# KiCad board panel_rp2350_20x20_temp.kicad_pcb (continued)
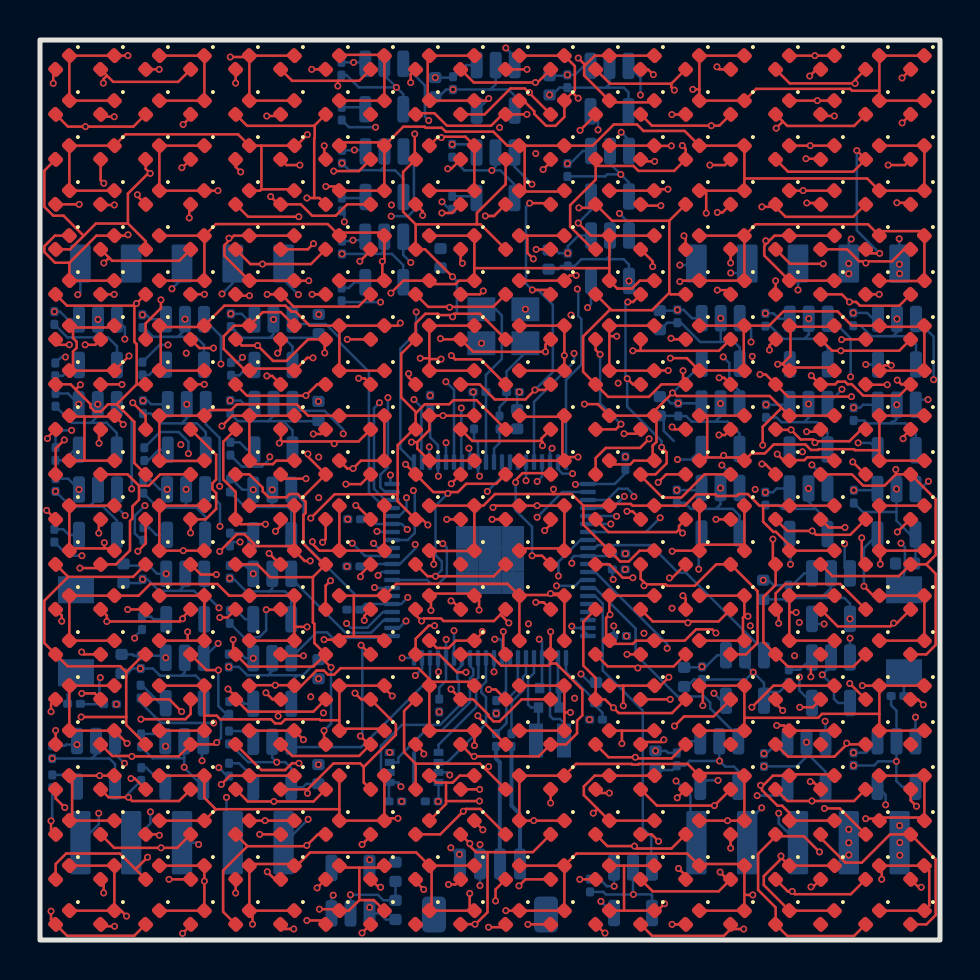
[diagram p0: board, top side]
## Routing (per net, layer and track width the routed paths; a pad name or vN(x,y) marks a point on that pad's centre or on a via; arc(x,y) is an arc through that point) (continued)
/drivers/COL_00: length 2
  Bottom w0.127: U3.5 10.66,8.13 9.95,8.83 R9.1
/drivers/COL_01: length 1.6
  Bottom w0.127: U4.5 5.31,8.61 R10.1
/drivers/COL_02: length 1.5
  Bottom w0.127: R11.1 1.12,8.25 1.7,7.67 U5.5
/drivers/COL_03: length 1.2
  Bottom w0.127: R12.1 10.1,11.92 10.22,11.81 U6.5
/drivers/COL_04: length 1.6
  Bottom w0.127: U7.5 6,11.84 5.1,12.73 R13.1
/drivers/COL_05: length 1.4
  Bottom w0.127: U8.5 10.26,16.04 9.83,16.47 R14.1
/drivers/COL_06: length 1.3
  Bottom w0.127: U9.5 5.67,16.04 5.55,16.17 R15.1
/drivers/COL_07: length 1.2
  Bottom w0.127: R16.1 10.55,20.34 U10.5
/drivers/COL_08: length 1.3
  Bottom w0.127: U11.5 5.81,20.26 5.45,20.62 R17.1
/drivers/COL_09: length 1.3
  Bottom w0.127: R18.1 1.16,20.53 1.45,20.25 U12.5
/drivers/COL_10: length 1.4
  Bottom w0.127: U13.5 10.34,24.53 9.98,24.89 R19.1
/drivers/COL_11: length 1.4
  Bottom w0.127: R20.1 5.4,23.97 5.94,24.51 U14.5
/drivers/COL_12: length 1.4
  Bottom w0.127: U15.5 1.73,24.51 1.2,23.98 0.77,23.98
/drivers/COL_13: length 1.4
  Bottom w0.127: R22.1 1.14,28.21 1.68,28.75 U16.5
/drivers/COL_14: length 1.2
  Bottom w0.127: R23.1 16.22,37.09 16.28,37.15
/drivers/COL_15: length 1.3
  Bottom w0.127: R24.1 15.44,32.6 15.73,32.89 U18.5
/drivers/COL_16: length 1.4
  Bottom w0.127: U19.5 10.48,28.75 9.97,28.23 R25.1
/drivers/COL_17: length 1.4
  Bottom w0.127: U20.5 5.97,28.77 5.45,28.25 R26.1
/drivers/COL_18: length 1.2
  Bottom w0.127: R27.1 16.16,41.64 U21.5
/drivers/COL_19: length 1.3
  Bottom w0.127: R28.1 21.74,37.19 U22.5
/drivers/COL_MCU_00: length 9.5
  Bottom w0.127: U2.78 19.5,13.08 16.07,9.65 12.83,9.65 U3.3
/drivers/COL_MCU_01: length 14.4
  In4.Cu w0.127: v1(18.77,13.23) 16.11,13.23 15.57,12.68 12.87,12.68 11.45,11.25 10.73,11.25 8.44,8.96 v1(8.1,8.96)
  Bottom w0.127: v1(18.77,13.23) 19.1,13.56 U2.79 ; v1(8.1,8.96) 8.1,9.88 U4.3
/drivers/COL_MCU_02: length 18.1
  In4.Cu w0.127: v1(18.11,14.1) 17.75,13.74 16.16,13.74 15.67,13.25 14.28,13.25 14.11,13.43 13.26,13.43 11.42,11.58 8.82,11.58 6.06,8.81 4.25,8.81 v1(4.23,8.84)
  Bottom w0.127: v1(4.23,8.84) 3.75,9.31 U5.3 ; U2.80 v1(18.11,14.1)
/drivers/COL_MCU_03: length 5.7
  Bottom w0.127: U2.1 17.51,15.11 14.63,15.11 14.35,15.38 13.83,15.38 12.56,14.12 U6.3
/drivers/COL_MCU_04: length 12.1
  In4.Cu w0.127: v1(18.3,15.95) 16.73,14.38 15.9,14.38 15.63,14.65 9.09,14.65 v1(8.91,14.83)
  Bottom w0.127: v1(18.3,15.95) 17.95,15.6 U2.2 ; U7.3 v1(8.91,14.83)
/drivers/COL_MCU_05: length 6.7
  Bottom w0.127: U2.3 17.2,16 16.56,15.36 15.28,15.36 12.56,18.08 U8.3
/drivers/COL_MCU_06: length 11.4
  In4.Cu w0.127: v1(8.95,16.61) 9.13,16.61 9.71,16.02 15.13,16.02 v1(15.33,15.83)
  Bottom w0.127: U2.4 17.15,16.4 16.37,15.62 15.54,15.62 v1(15.33,15.83) ; U9.3 8.21,17.35 v1(8.95,16.61)
/drivers/COL_MCU_07: length 8.4
  Bottom w0.127: U2.6 15.82,17.2 13.17,19.85 13.17,21.9 U10.3
/drivers/COL_MCU_08: length 12.2
  In4.Cu w0.127: v1(9,20.68) 9,20.37 10.66,18.71 12.88,18.71 13.99,17.6 16.7,17.6 v1(16.73,17.63)
  Bottom w0.127: U2.7 16.75,17.6 v1(16.73,17.63) ; v1(9,20.68) 9,21.79 U11.3
/drivers/COL_MCU_09: length 29.7
  In4.Cu w0.127: v1(4.26,21.23) 3.19,21.23 2.5,20.53 2.5,20.04 5.29,17.25 17.89,17.25 18.15,17.51 19.67,17.51 20.23,18.07 20.23,19.72 v1(20.14,19.82)
  Bottom w0.127: v1(20.14,19.82) 20.34,19.61 20.34,18.23 19.94,17.82 19.54,17.82 19.36,18 U2.8 ; v1(4.26,21.23) 3.85,21.63 U12.3
/drivers/COL_MCU_10: length 11.9
  In3.Cu w0.127: v1(16.9,18.23) 16.16,18.98 16.16,24.31 v1(15.16,25.31)
  Bottom w0.127: U13.3 12.97,26.46 14.23,26.46 15.16,25.53 v1(15.16,25.31) ; v1(16.9,18.23) 17.07,18.4 U2.9
/drivers/COL_MCU_11: length 14.7
  In4.Cu w0.127: v1(8.99,22.69) 9.23,22.93 10.78,22.93 11.14,22.57 11.14,22.45 11.99,21.6 13.55,21.6 15.31,19.84 v1(15.61,19.84)
  Bottom w0.127: U2.11 16.25,19.2 v1(15.61,19.84) ; v1(8.99,22.69) 8.99,25.1 8.29,25.79 U14.3
/drivers/COL_MCU_12: length 19.3
  In4.Cu w0.127: v1(16.68,19.83) 15.91,20.6 14.91,20.6 12.32,23.19 5.22,23.19 v1(4.59,22.56)
  Bottom w0.127: U15.3 4.59,26.04 v1(4.59,22.56) ; U2.12 16.91,19.6 v1(16.68,19.83)
/drivers/COL_MCU_13: length 27
  In3.Cu w0.127: v1(13.94,24.15) v1(13.94,22.12) ; v1(7.04,24.77) 6.95,24.86 6.95,28.98 v1(7.31,29.34)
  In4.Cu w0.127: v1(4.24,30.05) 4.95,29.34 v1(7.31,29.34) ; v1(13.94,22.12) 17.52,22.12 17.95,22.55 18.59,22.55 v1(18.67,22.47) ; v1(7.04,24.77) 11.4,24.77 11.73,24.44 12.66,24.44 13.16,23.94 13.73,23.94 v1(13.94,24.15)
  Bottom w0.127: v1(18.67,22.47) 18.74,22.4 18.74,20.35 18.39,20 U2.13 ; v1(4.24,30.05) 4.24,30.63 3.85,31.02
/drivers/COL_MCU_14: length 21.7
  In3.Cu w0.127: v1(17.56,36.19) 16.6,35.23 16.6,29.99 16.35,29.74 16.35,25.94 16.85,25.44 v1(16.85,20.43)
  Bottom w0.127: v1(17.56,36.19) 18.41,36.19 18.69,36.48 18.69,38.91 18.17,39.42 ; v1(16.85,20.43) 16.88,20.4 U2.14
/drivers/COL_MCU_15: length 15.1
  In3.Cu w0.127: v1(18.32,22.11) 17.89,22.55 17.89,29.3 18.44,29.85 18.44,33.78 v1(18.54,33.88)
  Bottom w0.127: U18.3 18.16,34.25 v1(18.54,33.88) ; v1(18.32,22.11) 18.32,21.56 17.97,21.2 U2.16
/drivers/COL_MCU_16: length 12.5
  Bottom w0.127: 12.62,31.02 12.85,30.8 14.28,30.8 14.99,30.09 14.99,29.87 16.45,28.42 16.45,22.39 17.24,21.6 U2.17
/drivers/COL_MCU_17: length 16.9
  In4.Cu w0.127: v1(9.05,28.8) 10.13,27.72 16.12,27.72 v1(16.97,26.86)
  Bottom w0.127: v1(9.05,28.8) 9.05,30.19 U20.3 ; v1(16.97,26.86) 16.7,26.59 16.7,22.56 17.26,22 U2.18
/drivers/COL_MCU_18: length 23.4
  In3.Cu w0.127: v1(17.4,27.12) 17.4,29.95 17.65,30.2 17.65,31.22 18.18,31.74 18.18,39.16 19.44,40.42 v1(19.44,40.98)
  Bottom w0.127: U2.19 17.25,22.4 17.02,22.63 17.02,23.26 17.4,23.64 v1(17.4,27.12) ; U21.3 19.25,42.73 19.25,41.16 v1(19.44,40.98)
/drivers/COL_MCU_19: length 24.5
  In3.Cu w0.127: v1(17.57,36.75) 17.92,36.4 17.92,31.85 17.4,31.32 17.4,30.43 16.6,29.63 16.6,26.17 17.52,25.25 v1(17.52,23.25)
  In4.Cu w0.127: v1(17.57,36.75) 18.61,37.79 v1(24.6,37.79)
  Bottom w0.127: 23.72,39.38 23.72,38.66 v1(24.6,37.79) ; v1(17.52,23.25) 17.52,22.88 U2.20
/drivers/ROW_00: length 61.6
  Top w0.127: v1(9.51,44.15) 10.4,44.15 D81.1 ; v1(22.44,42.07) 22.33,41.97 D221.1 D201.1 19.38,42.05 19.38,44.13 D161.1 D181.1 ; D341.1 v1(38.75,44.22) D321.1 ; 27.26,43.75 27.21,43.69 27.21,43.23 D281.1 28.55,41.88 30.63,41.88 D301.1 ; 27.26,43.75 27.74,44.22 D241.1 D261.1 ; 27.26,43.75 v1(26.91,44.1) ; D381.1 v1(38.87,41.97) D361.1 ; D141.1 D121.1 D81.1 ; D81.1 D101.1 ; D61.1 D41.1 D1.1 D21.1 v1(4.4,44.22)
  In3.Cu w0.127: v1(38.87,41.97) 38.87,44.1 v1(38.75,44.22)
  In4.Cu w0.127: v1(22.44,42.07) 22.5,42.01 24.62,42.01 24.84,42.23 24.84,42.25 26.69,44.1 v1(26.91,44.1) 27.03,44.22 v1(38.75,44.22) ; v1(4.4,44.22) 9.44,44.22 v1(9.51,44.15)
  Bottom w0.127: U23.5 v1(22.44,42.07)
/drivers/ROW_01: length 75.5
  Top w0.127: D342.1 v1(38.51,39.72) D322.1 ; 38.16,37.47 v1(38.16,37.47) ; 38.16,37.47 D382.1 ; 38.16,37.47 D362.1 ; 11.07,37.53 11.07,39.72 ; 11.07,37.53 12.65,37.53 D142.1 ; 11.07,37.53 11,37.47 D122.1 ; 11.07,39.72 D82.1 9.9,40.28 4.28,40.28 D22.1 D2.1 D42.1 D62.1 ; 11.07,39.72 D102.1 12.82,39.72 v1(13.37,40.27) ; v1(31.4,37.54) 30.79,37.54 D302.1 D282.1 ; D162.1 19.87,40.12 v1(20.06,40.12) 20.11,40.16 21.27,40.16 D182.1 D222.1 D202.1 ; v1(31.57,39.71) 30.73,39.71 D262.1 D242.1
  In3.Cu w0.127: v1(31.57,39.71) 31.57,37.71 v1(31.4,37.54) ; v1(38.51,39.72) 38.66,39.57 38.66,37.98 v1(38.16,37.47)
  In4.Cu w0.127: v1(31.57,39.71) 30.52,40.75 28.15,40.75 v1(27.9,40.51) ; v1(13.37,40.27) 18.26,40.27 18.59,39.94 19.88,39.94 v1(20.06,40.12) 20.13,40.19 22.9,40.19 24.17,38.92 25.75,38.92 27.13,37.54 v1(31.4,37.54) 38.08,37.54 v1(38.16,37.47)
  Bottom w0.127: v1(27.9,40.51) 27.9,41.06 U24.5
/drivers/ROW_02: length 72.8
  Top w0.127: v1(17.55,32.35) 18.17,32.97 D203.1 19.64,32.8 20.78,32.8 20.95,32.97 D223.1 21.72,33.59 ; v1(4.4,35.26) 4.36,35.22 D23.1 2.82,35.22 1.47,33.86 ; D63.1 D43.1 1.47,33.86 ; D263.1 D243.1 ; D243.1 27.54,35.22 v1(26.91,35.85) ; D243.1 28.47,33.59 ; 1.47,33.86 0.75,33.86 0.22,34.4 0.22,34.69 0.75,35.22 D3.1 ; D343.1 D323.1 36.72,35.22 36.38,34.87 ; 21.72,33.59 D183.1 D163.1 ; 21.72,33.59 28.47,33.59 ; D383.1 D363.1 36.21,34.22 36.21,34.71 36.38,34.87 ; 36.38,34.87 v1(36.29,34.96) ; 28.47,33.59 D283.1 28.86,32.57 29.6,32.57 29.99,32.97 D303.1 ; v1(13.44,32.96) 12.72,32.96 D143.1 D123.1 9.22,34.22 9.22,34.74 9.51,35.03 ; 9.51,35.03 v1(9.45,35.09) ; 9.51,35.03 9.7,35.22 D83.1 D103.1
  In4.Cu w0.127: v1(36.29,34.96) 35.4,35.85 v1(26.91,35.85) ; v1(4.4,35.26) 9.28,35.26 v1(9.45,35.09) ; v1(13.44,32.96) 16.93,32.96 v1(17.55,32.35)
  Bottom w0.127: U25.5 27.55,36.49 v1(26.91,35.85)
/drivers/ROW_03: length 72.6
  Top w0.127: 37.13,28.81 36.9,28.81 v1(36.89,28.79) ; 37.13,28.81 37.52,29.2 37.52,30.66 ; 37.13,28.81 D364.1 37.62,28.62 39.56,28.62 D384.1 ; v1(13.65,29.11) 13.36,29.11 D144.1 12.62,28.57 10.57,28.57 D124.1 10.27,28.47 9.19,29.55 9.19,30.19 9.71,30.72 D84.1 11.14,31.39 12.04,31.39 D104.1 ; 28.47,30.19 D284.1 D304.1 30.73,28.48 v1(31.41,28.48) ; 28.47,30.19 D244.1 D264.1 ; 28.47,30.19 v1(28.84,30.19) ; D24.1 3.63,30.63 1.65,30.63 ; D4.1 1.56,30.63 1.65,30.63 ; v1(4.45,29.2) D64.1 D44.1 1.65,28.65 1.65,29.43 1.83,29.61 1.83,29.91 1.65,30.09 1.65,30.63 ; D344.1 39.66,30.66 37.52,30.66 ; 19.47,29.05 19.47,29.09 ; 19.47,29.05 D204.1 D224.1 ; 19.47,29.05 v1(20.05,29.05) ; 19.47,29.09 D164.1 D184.1 ; 19.47,29.09 v1(19.01,29.09) ; 37.52,30.66 D324.1
  In4.Cu w0.127: v1(28.84,30.19) 28.76,30.26 21.51,30.26 20.83,29.59 20.42,29.59 20.05,29.23 v1(20.05,29.05) ; v1(36.89,28.79) 36.89,28.79 34.01,28.79 33.95,28.85 31.79,28.85 31.42,28.48 v1(31.41,28.48) ; v1(4.45,29.2) 4.68,28.98 7.46,28.98 8.58,30.09 12.67,30.09 v1(13.65,29.11) 13.81,28.95 14.39,28.95 14.53,29.09 v1(19.01,29.09)
  Bottom w0.127: U26.5 v1(36.89,28.79)
/drivers/ROW_04: length 72.5
  Top w0.127: D385.1 39.55,24.13 38.36,24.13 38.22,23.99 37.47,23.99 ; D285.1 28.66,23.78 29.51,23.78 29.7,23.97 D305.1 30.63,24.05 30.63,24.72 30.82,24.91 30.82,26.11 D265.1 ; D145.1 11.82,23.97 11.64,23.79 10.64,23.79 D125.1 D85.1 ; 2.22,23.97 D65.1 ; 2.22,23.97 D45.1 ; 2.22,23.97 2.22,26.17 ; 2.22,26.17 3.67,26.17 D25.1 4.16,25.78 v1(4.16,25.78) ; 2.22,26.17 1.52,26.17 D5.1 ; D185.1 v1(20.15,26.22) D165.1 19.47,25.5 18.87,24.89 ; 37.08,26.61 D325.1 D345.1 ; 37.08,26.61 36.49,27.2 31.82,27.2 31.67,27.35 v1(31.63,27.35) 30.72,26.44 D265.1 ; 37.08,26.61 36.13,25.66 v1(36.13,24.74) ; 18.87,24.89 v1(18.58,24.89) ; 18.87,24.89 18.87,24.57 D205.1 D225.1 ; D265.1 D245.1 27.89,26.79 v1(27.22,26.79) ; 37.47,23.99 D365.1 ; 37.47,23.99 37.16,23.99 v1(36.86,24.3) ; D105.1 D85.1 ; D85.1 9.62,26.22 v1(9.1,25.7)
  In4.Cu w0.127: v1(4.16,25.78) 4.24,25.7 v1(9.1,25.7) 17.77,25.7 v1(18.58,24.89) ; v1(27.22,26.79) 26.64,26.22 v1(20.15,26.22) ; v1(36.86,24.3) 36.58,24.3 v1(36.13,24.74)
  Bottom w0.127: U27.5 33.09,28.81 v1(31.63,27.35)
/drivers/ROW_05: length 78.7
  Top w0.127: D306.1 29.98,19.47 29.44,18.92 29.01,18.92 D286.1 27.17,20.77 27.17,21.72 ; 27.17,21.72 D246.1 28.55,21.8 29.54,21.8 29.63,21.72 D266.1 32.24,21.72 32.8,22.28 33.77,22.28 33.84,22.2 34.84,22.2 34.94,22.3 35.39,22.3 35.97,21.72 36.16,21.72 ; 27.17,21.72 26.59,22.3 25.67,22.3 ; 25.67,22.3 v1(25.67,22.54) ; 25.67,22.3 22.75,22.3 22.17,21.72 D186.1 ; D206.1 19.67,19.47 19.69,19.45 ; 3.21,19.58 3.61,19.58 D66.1 ; 3.21,19.58 v1(3.21,19.86) ; 3.21,19.58 1.58,19.58 D46.1 D6.1 D26.1 ; D386.1 D366.1 37.47,19.74 36.8,20.41 36.66,20.41 36.16,20.91 36.16,21.72 ; 19.69,19.45 v1(19.69,18.79) ; 19.69,19.45 21.7,19.45 D226.1 D186.1 ; D346.1 D326.1 36.16,21.72 ; D166.1 D186.1 ; v1(8.98,19.43) 9.84,20.29 10.22,20.29 10.7,19.81 10.7,19.7 ; 10.7,19.7 12.49,19.7 D146.1 ; 10.7,19.7 D126.1 ; D86.1 D106.1 D146.1 ; D146.1 13.23,18.95 v1(13.51,18.95)
  In3.Cu w0.127: v1(25.67,22.54) 25.67,23.93 26.58,24.83 26.58,28.69 27.38,29.49 v1(27.38,31.62)
  In4.Cu w0.127: v1(19.69,18.79) 19.34,19.13 13.69,19.13 v1(13.51,18.95) ; v1(3.21,19.86) 4.01,19.07 8.62,19.07 v1(8.98,19.43)
  Bottom w0.127: U28.5 27.55,31.79 v1(27.38,31.62)
/drivers/ROW_06: length 73.8
  Top w0.127: 19.55,17.22 D167.1 ; 19.55,17.22 19.65,17.32 21.62,17.32 D187.1 21.95,16.98 v1(21.95,16.5) ; 19.55,17.22 v1(19.55,16.48) ; 37.47,16.38 D327.1 D347.1 ; 37.47,16.38 v1(37.81,16.38) ; 37.47,16.38 D367.1 D387.1 ; 28.47,16.27 28.3,16.1 28.3,15.13 D287.1 28.63,14.81 29.64,14.81 29.8,14.97 D307.1 32.24,14.97 32.8,15.53 33.61,15.53 v1(33.8,15.35) ; 28.47,16.27 v1(28.5,16.27) ; 28.47,16.27 D247.1 D267.1 ; 12.72,15.66 v1(13.35,15.66) ; 12.72,15.66 D107.1 D87.1 9.45,17.22 8.87,17.8 5.51,17.8 4.93,17.22 D27.1 D7.1 D47.1 D67.1 ; 12.72,15.66 D147.1 D127.1 ; D207.1 19.84,14.6 20.43,14.6 20.8,14.97 D227.1 22.11,15.36 v1(22.11,15.43)
  In3.Cu w0.127: v1(37.81,16.38) 38.06,16.63 38.06,24.35 v1(38.12,24.41)
  In4.Cu w0.127: 22.57,15.88 v1(22.11,15.43) ; 22.57,15.88 23.14,16.46 28.31,16.46 v1(28.5,16.27) ; 22.57,15.88 v1(21.95,16.5) ; v1(33.8,15.35) 33.8,15.35 35.88,15.35 36.91,16.38 v1(37.81,16.38) ; v1(19.55,16.48) 18.23,16.48 17.15,15.4 13.61,15.4 v1(13.35,15.66)
  Bottom w0.127: v1(38.12,24.41) 37.59,24.41 U29.5
/drivers/ROW_07: length 92.5
  Top w0.127: D128.1 D148.1 v1(13.17,10.01) ; D168.1 19.66,12.91 21.53,12.91 D188.1 ; D168.1 D208.1 D228.1 21.72,10.46 v1(21.72,9.72) ; D168.1 19.47,13.04 18.92,13.59 15.03,13.59 14.7,13.27 14.4,13.27 14.19,13.47 13.83,13.47 13.07,12.72 D108.1 12.7,12.74 v1(11.76,12.74) 10.49,12.74 D88.1 ; 29.1,10.47 D288.1 ; 29.1,10.47 v1(29.1,9.82) ; 29.1,10.47 D308.1 ; v1(4.35,9.83) D68.1 D48.1 D8.1 D28.1 ; 29.16,12.72 v1(29.16,11.71) ; 29.16,12.72 D268.1 31.02,12.72 v1(31.44,13.14) ; 29.16,12.72 D248.1 ; v1(35.59,11.64) 36.67,12.72 D328.1 D348.1 ; D388.1 D368.1 37.21,10.73 v1(36.84,10.73)
  In3.Cu w0.127: v1(29.16,11.71) 29.16,9.89 v1(29.1,9.82) ; v1(31.44,13.14) 31.97,13.66 31.97,16.42 32.06,16.52 32.06,16.7 31.77,17 31.77,17.55 32,17.78 32,19.66 31.47,20.19 31.47,23.62 v1(31.87,24.02)
  In4.Cu w0.127: v1(36.84,10.73) 36.46,10.73 35.59,11.59 ; v1(11.76,12.74) 11.76,12.28 11.33,11.85 6.37,11.85 v1(4.35,9.83) ; v1(13.17,10.01) 13.35,10.01 14.42,8.94 20.94,8.94 v1(21.72,9.72) 29,9.72 v1(29.1,9.82) 30.34,11.06 35.06,11.06 35.59,11.59 ; 35.59,11.59 35.59,11.63 v1(35.59,11.64)
  Bottom w0.127: v1(31.87,24.02) 32.55,24.02 U30.5
/drivers/ROW_08: length 104.2
  Top w0.127: 36.1,7.67 v1(36.03,7.74) ; 36.1,7.67 36.65,8.22 D329.1 37.53,8.28 39.65,8.28 D349.1 ; 36.1,7.67 36.1,7.49 36.88,6.71 37.11,6.71 37.47,6.36 D369.1 D389.1 ; 20.3,7.87 20.3,6.95 ; 20.3,7.87 20.64,7.87 20.98,8.22 D189.1 ; 20.3,7.87 19.81,7.87 D169.1 ; 20.3,6.95 v1(21.98,6.95) ; 20.3,6.95 20.3,6.8 D209.1 ; 27.88,6.56 27.19,7.24 27.19,7.68 27.73,8.22 D249.1 D269.1 ; 27.88,6.56 D289.1 D309.1 ; 27.88,6.56 v1(27.66,6.34) ; D149.1 v1(11.25,5.97) D129.1 ; v1(22.14,5.51) 21.72,5.93 D229.1 ; D109.1 D89.1 9.5,8.22 v1(9.07,7.78) ; D29.1 v1(2.98,8.22) D9.1 1.61,8.08 1.61,6.11 D49.1 D69.1
  In3.Cu w0.127: v1(22.14,5.51) 22.14,6.78 v1(21.98,6.95) ; v1(36.03,7.74) 36.57,8.28 36.57,9.76 36.03,10.31 36.03,16.65 35.33,17.35 35.33,28.9 v1(35.61,29.18)
  In4.Cu w0.127: v1(36.03,7.74) 35.59,7.74 34.2,6.34 v1(27.66,6.34) 26.83,5.51 v1(22.14,5.51) ; v1(2.98,8.22) 3.54,7.66 8.91,7.66 ; 8.91,7.66 9.03,7.78 v1(9.07,7.78) ; 8.91,7.66 8.91,6.99 9.93,5.97 v1(11.25,5.97) 11.41,5.97 13.49,8.05 19.73,8.05 20.84,6.95 v1(21.98,6.95) ; v1(35.61,29.18) 35.66,29.13 36.7,29.13 36.77,29.21 39.22,29.21 39.65,28.78 v1(41.29,28.78)
  Bottom w0.127: 41.9,28.78 v1(41.29,28.78)
/drivers/ROW_09: length 86
  Top w0.127: D290.1 29.2,1.47 ; 29.2,1.47 D310.1 30.88,1.47 v1(31.23,1.82) ; 29.2,1.47 29.2,3.72 ; D250.1 29.2,3.72 ; 29.2,3.72 D270.1 ; D390.1 D370.1 36.19,2.75 36.19,3.19 37.09,4.09 ; D70.1 4.05,1.47 v1(4.33,1.2) ; D70.1 D50.1 ; D70.1 D30.1 D10.1 ; D170.1 D190.1 ; D170.1 19.58,3.61 19.58,1.58 D210.1 D230.1 21.49,1.7 v1(21.49,2.33) ; D170.1 18.81,4.38 13.5,4.38 12.84,3.72 D110.1 12.64,3.8 10.55,3.8 D90.1 D130.1 10.63,1.47 ; 10.63,1.47 v1(10.63,0.79) ; 10.63,1.47 D150.1 ; v1(37.05,4.2) 37.09,4.16 37.09,4.09 ; 37.09,4.09 D330.1 D350.1
  In3.Cu w0.127: v1(37.05,4.2) 37.5,4.65 37.5,12.74 37.35,12.89 37.35,18.61 v1(37.53,18.78)
  In4.Cu w0.127: v1(21.49,2.33) 26.61,2.33 27.39,1.55 30.96,1.55 v1(31.23,1.82) 34.67,1.82 v1(37.05,4.2) ; v1(4.33,1.2) 10.22,1.2 v1(10.63,0.79)
  Bottom w0.127: v1(37.53,18.78) 37.53,20.25 U32.5
/drivers/ROW_10: length 86.5
  Top w0.127: D91.1 15.07,3.62 15.97,3.62 ; D191.1 D231.1 D211.1 v1(23.29,1.47) ; D191.1 26.82,4.32 32.37,4.32 D251.1 33.05,3.8 35.14,3.8 D271.1 35.22,2.25 ; D191.1 D171.1 ; D11.1 D31.1 v1(8.22,2.94) D71.1 D51.1 ; 15.97,2 15.44,1.47 D131.1 14.9,1.54 v1(13.97,1.54) ; 15.97,2 16.69,2 D151.1 ; 15.97,2 15.97,3.62 ; 42.09,3.72 D351.1 44.46,3.47 44.46,1.71 D391.1 D371.1 ; 42.09,3.72 v1(42.09,3.04) ; 42.09,3.72 D331.1 ; 35.22,2.25 D311.1 D291.1 ; 35.22,2.25 v1(35.64,2.25) ; D111.1 17.12,3.62 15.97,3.62
  In3.Cu w0.127: v1(32.94,18.54) 32.94,15.84 32.73,15.64 32.73,8.62 35.64,5.72 v1(35.64,2.25)
  In4.Cu w0.127: v1(23.29,1.47) 19.25,1.47 18.72,2 16.3,2 15.84,1.54 v1(13.97,1.54) 9.62,1.54 v1(8.22,2.94) ; v1(42.09,3.04) 41.77,3.35 36.74,3.35 v1(35.64,2.25)
  Bottom w0.127: U33.5 32.94,20.19 v1(32.94,18.54)
/drivers/ROW_11: length 83.9
  Top w0.127: D392.1 44.22,6.12 ; 44.22,6.12 D352.1 D332.1 ; 44.22,6.12 42.12,6.12 D372.1 41.87,6.07 v1(41.28,6.07) ; v1(17.9,6.08) 17.22,6.08 ; 17.22,6.08 D152.1 D132.1 14.97,6.54 ; 17.22,6.08 D112.1 ; 14.97,6.54 8.79,6.54 ; 14.97,6.54 D92.1 ; 8.79,6.54 D72.1 D52.1 ; 8.79,6.54 8.22,7.11 D32.1 D12.1 ; D232.1 v1(24.68,5.97) D212.1 D172.1 D192.1 26.8,8.8 29.58,8.8 29.61,8.77 29.92,8.77 29.95,8.8 32.38,8.8 D252.1 33.1,8.35 35.09,8.35 D272.1 D312.1 v1(34.38,5.97) D292.1
  In3.Cu w0.127: v1(40.91,24.85) 40.25,24.2 40.25,22.05 40.71,21.59 40.71,19 41.65,18.05 41.65,6.43 v1(41.28,6.07)
  In4.Cu w0.127: v1(17.9,6.08) 18.01,5.97 v1(24.68,5.97) ; v1(34.38,5.97) 41.19,5.97 v1(41.28,6.07)
  Bottom w0.127: v1(40.91,24.85) 41.52,24.85 U34.5
/drivers/ROW_12: length 71.5
  Top w0.127: 35.22,11.11 D313.1 D293.1 ; 35.22,11.11 38.91,11.11 39.1,11.31 41.97,11.31 ; 35.22,11.11 D273.1 33.14,12.72 ; D393.1 D373.1 41.97,11.31 ; D333.1 v1(41.12,12.72) ; D333.1 41.97,11.31 ; D333.1 D353.1 ; 8.22,11.22 D33.1 D13.1 ; 8.22,11.22 D73.1 D53.1 ; 8.22,11.22 8.84,11.22 9.02,11.03 11.55,11.03 11.76,10.83 12.06,10.83 12.26,11.03 13.98,11.03 14.02,10.99 14.97,10.99 ; 14.97,10.99 D93.1 D113.1 17.22,12.6 v1(17.61,12.2) ; 14.97,10.99 D133.1 15.06,10.56 17.12,10.56 D153.1 ; v1(26.52,11.38) 26.22,11.38 ; 26.22,11.38 D233.1 D213.1 ; 26.22,11.38 D193.1 D173.1 ; 33.14,12.72 v1(33.14,11.72) ; 33.14,12.72 D253.1
  In3.Cu w0.127: v1(39.21,15.8) 39.21,14.63 v1(41.12,12.72)
  In4.Cu w0.127: v1(33.14,11.72) 33.07,11.65 31.14,11.65 30.72,12.08 27.32,12.08 26.62,11.38 v1(26.52,11.38) 25.99,11.91 17.9,11.91 v1(17.61,12.2)
  Bottom w0.127: U35.5 38.86,15.8 v1(39.21,15.8)
/drivers/ROW_13: length 73.3
  Top w0.127: 15.69,15.17 15.17,15.17 D134.1 14.92,15.02 v1(14.2,15.02) ; 15.69,15.17 17.01,15.17 D154.1 ; 15.69,15.17 15.69,17.22 ; 35.22,16.19 35.15,16.12 35.15,15.04 D314.1 D294.1 ; 35.22,16.19 D274.1 D254.1 ; 35.22,16.19 v1(35.4,16.19) ; D14.1 D34.1 D74.1 7.38,14.97 ; D374.1 D394.1 D354.1 D334.1 41.67,17.22 v1(41.2,17.69) ; D54.1 7.38,14.97 ; 7.38,14.97 v1(7.38,15.41) ; v1(25.53,17.32) 26.12,17.32 D194.1 ; 15.69,17.22 D114.1 17.81,17.81 23.38,17.81 D174.1 ; 15.69,17.22 D94.1 ; D194.1 26.19,17.25 24,17.25 D174.1 ; D194.1 D234.1 ; D174.1 D214.1
  In4.Cu w0.127: v1(14.2,15.02) 13.48,15.02 13.03,15.47 7.44,15.47 v1(7.38,15.41) ; v1(41.2,17.69) 36.9,17.69 v1(35.4,16.19) 34,17.59 31.32,17.59 31.04,17.31 29.96,17.31 29.66,17.61 28.35,17.61 26.74,19.22 26.36,19.22 25.46,18.31 25.46,17.39 v1(25.53,17.32)
  Bottom w0.127: 41.88,20.28 41.2,19.6 v1(41.2,17.69)
/drivers/ROW_14: length 85.2
  Top w0.127: D315.1 35.22,19.77 ; 35.22,19.77 32.97,19.77 ; 35.22,19.77 D275.1 ; 42.01,19.47 v1(42.01,18.79) ; 42.01,19.47 D375.1 D335.1 D355.1 ; 42.01,19.47 D395.1 ; D135.1 13.96,19.47 13.62,19.81 v1(13.62,19.92) ; D135.1 D95.1 ; D135.1 D155.1 D115.1 ; D255.1 32.97,19.77 ; 32.97,19.77 D295.1 31.64,19.47 v1(31.61,19.44) ; v1(22.65,21.63) 22.74,21.72 D175.1 v1(24.86,21.72) D195.1 D235.1 26.11,19.58 24.08,19.58 D215.1 ; D75.1 v1(7.16,19.47) D55.1 D15.1 D35.1
  In3.Cu w0.127: v1(37.97,13.14) 38.13,13.3 38.13,15.71 v1(37.96,15.88)
  In4.Cu w0.127: v1(24.86,21.72) 25.14,21.72 27.11,19.74 30.98,19.74 31.28,19.44 v1(31.61,19.44) 31.87,19.17 41.62,19.17 42,18.79 ; v1(7.16,19.47) 8.78,21.09 9.3,21.09 10.02,20.37 11.08,20.37 11.53,19.92 v1(13.62,19.92) 13.62,19.8 13.96,19.46 17.9,19.46 18.62,20.18 19.54,20.18 19.8,20.44 21.46,20.44 v1(22.65,21.63) ; v1(37.96,15.88) 38.94,16.85 40.88,16.85 42,17.97 42,18.79 ; v1(42.01,18.79) 42,18.79
  Bottom w0.127: v1(37.97,13.14) 37.97,12.48 U37.5
/drivers/ROW_15: length 81.8
  Top w0.127: D136.1 15.36,23.57 v1(15.66,23.57) 16.05,23.97 D156.1 D116.1 D96.1 13.41,26.22 12.84,26.78 9.84,26.78 9.55,26.5 8.5,26.5 D36.1 D16.1 D56.1 5.98,23.95 8.2,23.95 D76.1 ; D236.1 D216.1 ; D236.1 26.12,24.06 26.12,26.16 ; D236.1 26.4,24.15 v1(26.9,24.15) ; D256.1 33.36,26.22 ; 33.36,26.22 D276.1 ; 33.36,26.22 33.36,24.13 ; 33.36,24.13 34.18,24.13 ; 33.36,24.13 33.13,24.13 D296.1 ; 34.18,24.13 v1(34.18,24.23) ; 34.18,24.13 35.06,24.13 D316.1 35.58,24.33 36.24,24.33 36.69,24.78 38.27,24.78 38.55,24.5 38.9,24.5 38.94,24.54 40.7,24.54 40.76,24.49 41.97,24.49 ; 41.97,24.49 D336.1 D356.1 ; 41.97,24.49 D376.1 D396.1 ; D176.1 24.02,26.16 26.12,26.16 ; 26.12,26.16 26.18,26.22 D196.1
  In3.Cu w0.127: v1(34.18,24.23) 34.46,23.95 34.46,13.1 v1(33.7,12.34)
  In4.Cu w0.127: v1(15.66,23.57) 15.7,23.61 17.67,23.61 17.87,23.42 19.3,23.42 19.77,23.89 26.65,23.89 v1(26.9,24.15) 27.32,24.57 30.07,24.57 30.37,24.27 31.23,24.27 31.37,24.41 34,24.41 v1(34.18,24.23)
  Bottom w0.127: U38.5 34.07,11.97 v1(33.7,12.34)
/drivers/ROW_16: length 92.2
  Top w0.127: D17.1 6.04,30.65 ; 6.04,30.65 8.15,30.65 D37.1 9.22,31.72 12.27,31.72 12.57,31.42 12.78,31.42 13.48,30.72 D97.1 ; 6.04,30.65 6.04,28.54 D57.1 D77.1 ; v1(42.56,28.73) 42.23,28.73 D377.1 D397.1 D357.1 44.16,30.66 42.03,30.66 D337.1 40.59,30.72 39.87,31.43 37.17,31.43 36.46,30.72 D277.1 ; D277.1 35.19,30.69 35.19,28.5 D317.1 35.21,28.48 32.98,28.48 D297.1 32.34,29.09 v1(31.52,29.09) ; D277.1 D257.1 ; D177.1 D197.1 v1(26.22,29.23) D237.1 D217.1 ; D97.1 D137.1 D157.1 ; D97.1 D117.1 17.88,30.72 v1(18.02,30.85)
  In3.Cu w0.127: v1(26.55,31.24) 26.22,30.91 v1(26.22,29.23) ; v1(42.56,28.73) 42,28.17 42,19.32 42.44,18.88 42.44,18.58 42.28,18.41 v1(42.28,6.76)
  In4.Cu w0.127: v1(18.02,30.85) 18.1,30.77 20.76,30.77 21.14,31.15 26.45,31.15 v1(26.55,31.24) ; v1(26.22,29.23) 26.78,28.66 30.07,28.66 30.5,29.09 v1(31.52,29.09)
  Bottom w0.127: v1(42.28,6.76) 42.28,7.26 U39.5
/drivers/ROW_17: length 98
  Top w0.127: D378.1 41.99,32.95 44.2,32.95 D398.1 D358.1 43.99,35.44 42.19,35.44 D338.1 41.4,35.79 35.79,35.79 D278.1 ; D278.1 D318.1 D298.1 32.04,32.97 v1(31.99,32.92) ; D278.1 D258.1 ; D58.1 D78.1 D38.1 ; 17.12,32.97 D138.1 ; 17.12,32.97 D158.1 ; 17.12,32.97 v1(17.12,33.93) 17.22,34.03 D118.1 17.07,35.37 15.12,35.37 D98.1 14.39,35.8 8.8,35.8 D38.1 ; 24.37,35.22 D198.1 ; 24.37,35.22 D178.1 ; 24.37,35.22 24.37,34.35 v1(24.67,34.06) ; D38.1 D18.1 ; D218.1 D238.1 26.48,33.23 v1(26.81,33.23)
  In3.Cu w0.127: v1(35.51,15.71) 35.28,15.48 35.28,12.4 35.19,12.3 35.19,7.89 v1(35.86,7.22) ; v1(31.99,32.92) 30.63,31.56 30.63,27.73 30.32,27.42 30.32,25.44 30.09,25.21 30.09,24.91 30.32,24.67 30.32,20.92 30.77,20.47 30.77,18.06 30.9,17.93 30.9,17.29 v1(31.6,16.59)
  In4.Cu w0.127: 24.66,33.44 20.86,33.44 20.78,33.53 20.47,33.53 20.39,33.44 17.61,33.44 v1(17.12,33.93) ; 24.66,33.44 24.66,34.05 v1(24.67,34.06) ; 24.66,33.44 24.88,33.23 v1(26.81,33.23) 26.94,33.35 30.1,33.35 30.53,32.92 v1(31.99,32.92) ; v1(31.6,16.59) 33.04,16.59 33.91,15.72 35.51,15.72 v1(35.51,15.71)
  Bottom w0.127: U40.5 36.98,7.22 v1(35.86,7.22)
/drivers/ROW_18: length 94.4
  Top w0.127: 24.23,39.72 D199.1 27.63,39.72 28.69,40.78 29.85,40.78 30.17,40.45 32.23,40.45 D259.1 D279.1 35.22,38.08 ; 24.23,39.72 24.23,37.47 ; 24.23,39.72 D179.1 23.37,39.72 22.67,40.42 20.28,40.42 20.09,40.61 19.28,40.61 19.23,40.67 18.17,40.67 D119.1 ; 33.31,37.47 D319.1 35.22,38.08 ; 33.31,37.47 v1(33.31,36.34) ; 33.31,37.47 D299.1 ; D339.1 D359.1 D399.1 D379.1 41.36,38.08 35.22,38.08 ; v1(14.29,37.68) 14.76,37.68 D139.1 D159.1 D119.1 ; D99.1 15.13,39.88 17.05,39.88 D119.1 ; v1(8.9,37.47) D79.1 D59.1 D19.1 D39.1 ; 24.23,37.47 24.27,37.42 26.17,37.42 D239.1 ; 24.23,37.47 D219.1
  In3.Cu w0.127: v1(33.9,7.98) 34.53,8.6 34.53,12.48 34.71,12.67 34.71,25.61 33.31,27.02 v1(33.31,36.34)
  In4.Cu w0.127: v1(14.29,37.68) 9.11,37.68 v1(8.9,37.47)
  Bottom w0.127: U41.5 33.33,7.98 v1(33.9,7.98)
/drivers/ROW_19: length 93.1
  Top w0.127: 32.97,42.53 D260.1 D280.1 ; 32.97,42.53 v1(32.64,42.53) ; 32.97,42.53 D300.1 D320.1 35.81,42.56 40.51,42.56 40.6,42.46 41.97,42.46 ; D60.1 D80.1 D40.1 D20.1 ; D100.1 15.01,44.26 17.18,44.26 D120.1 D160.1 D140.1 ; D360.1 D340.1 41.97,42.46 ; v1(26.91,42.09) 26.62,42.37 ; 26.62,42.37 D240.1 26.22,41.15 25.77,40.71 25.31,40.71 24.71,41.31 24.71,41.43 24.18,41.97 D220.1 ; 26.62,42.37 26.74,42.49 26.74,43.69 D200.1 D180.1 ; 41.97,42.46 D380.1 D400.1
  In3.Cu w0.127: v1(26.91,42.09) 26.91,42.02 29.82,39.11 29.82,32.31 29.75,32.25 29.75,30.51 27.6,28.36 27.6,15.32 28.05,14.88 v1(28.05,1.93)
  In4.Cu w0.127: v1(26.91,42.09) 27.69,42.87 32.3,42.87 v1(32.64,42.53)
  Bottom w0.127: U42.5 28.63,1.35 v1(28.05,1.93)
/drivers/ROW_MCU_00: length 24.4
  In3.Cu w0.127: v1(23.29,44.6) 23.29,43.89 18.73,39.33 18.73,35.65 18.96,35.42 18.96,31.55 v1(18.81,31.4)